# Altium PCB LPCXpresso55SXX.PcbDoc (part 3 of 4)
Units mm, origin at the board's own origin, x right, y up, seen from the top; angles counter-clockwise.
Board outline 97.07 x 97.84 mm, 4 copper layers (Top Layer, GND Plane, Power Plane, Bottom Layer), stack 1.58 mm thick; 336 components, 250 nets, 1211 pads, 766 vias.
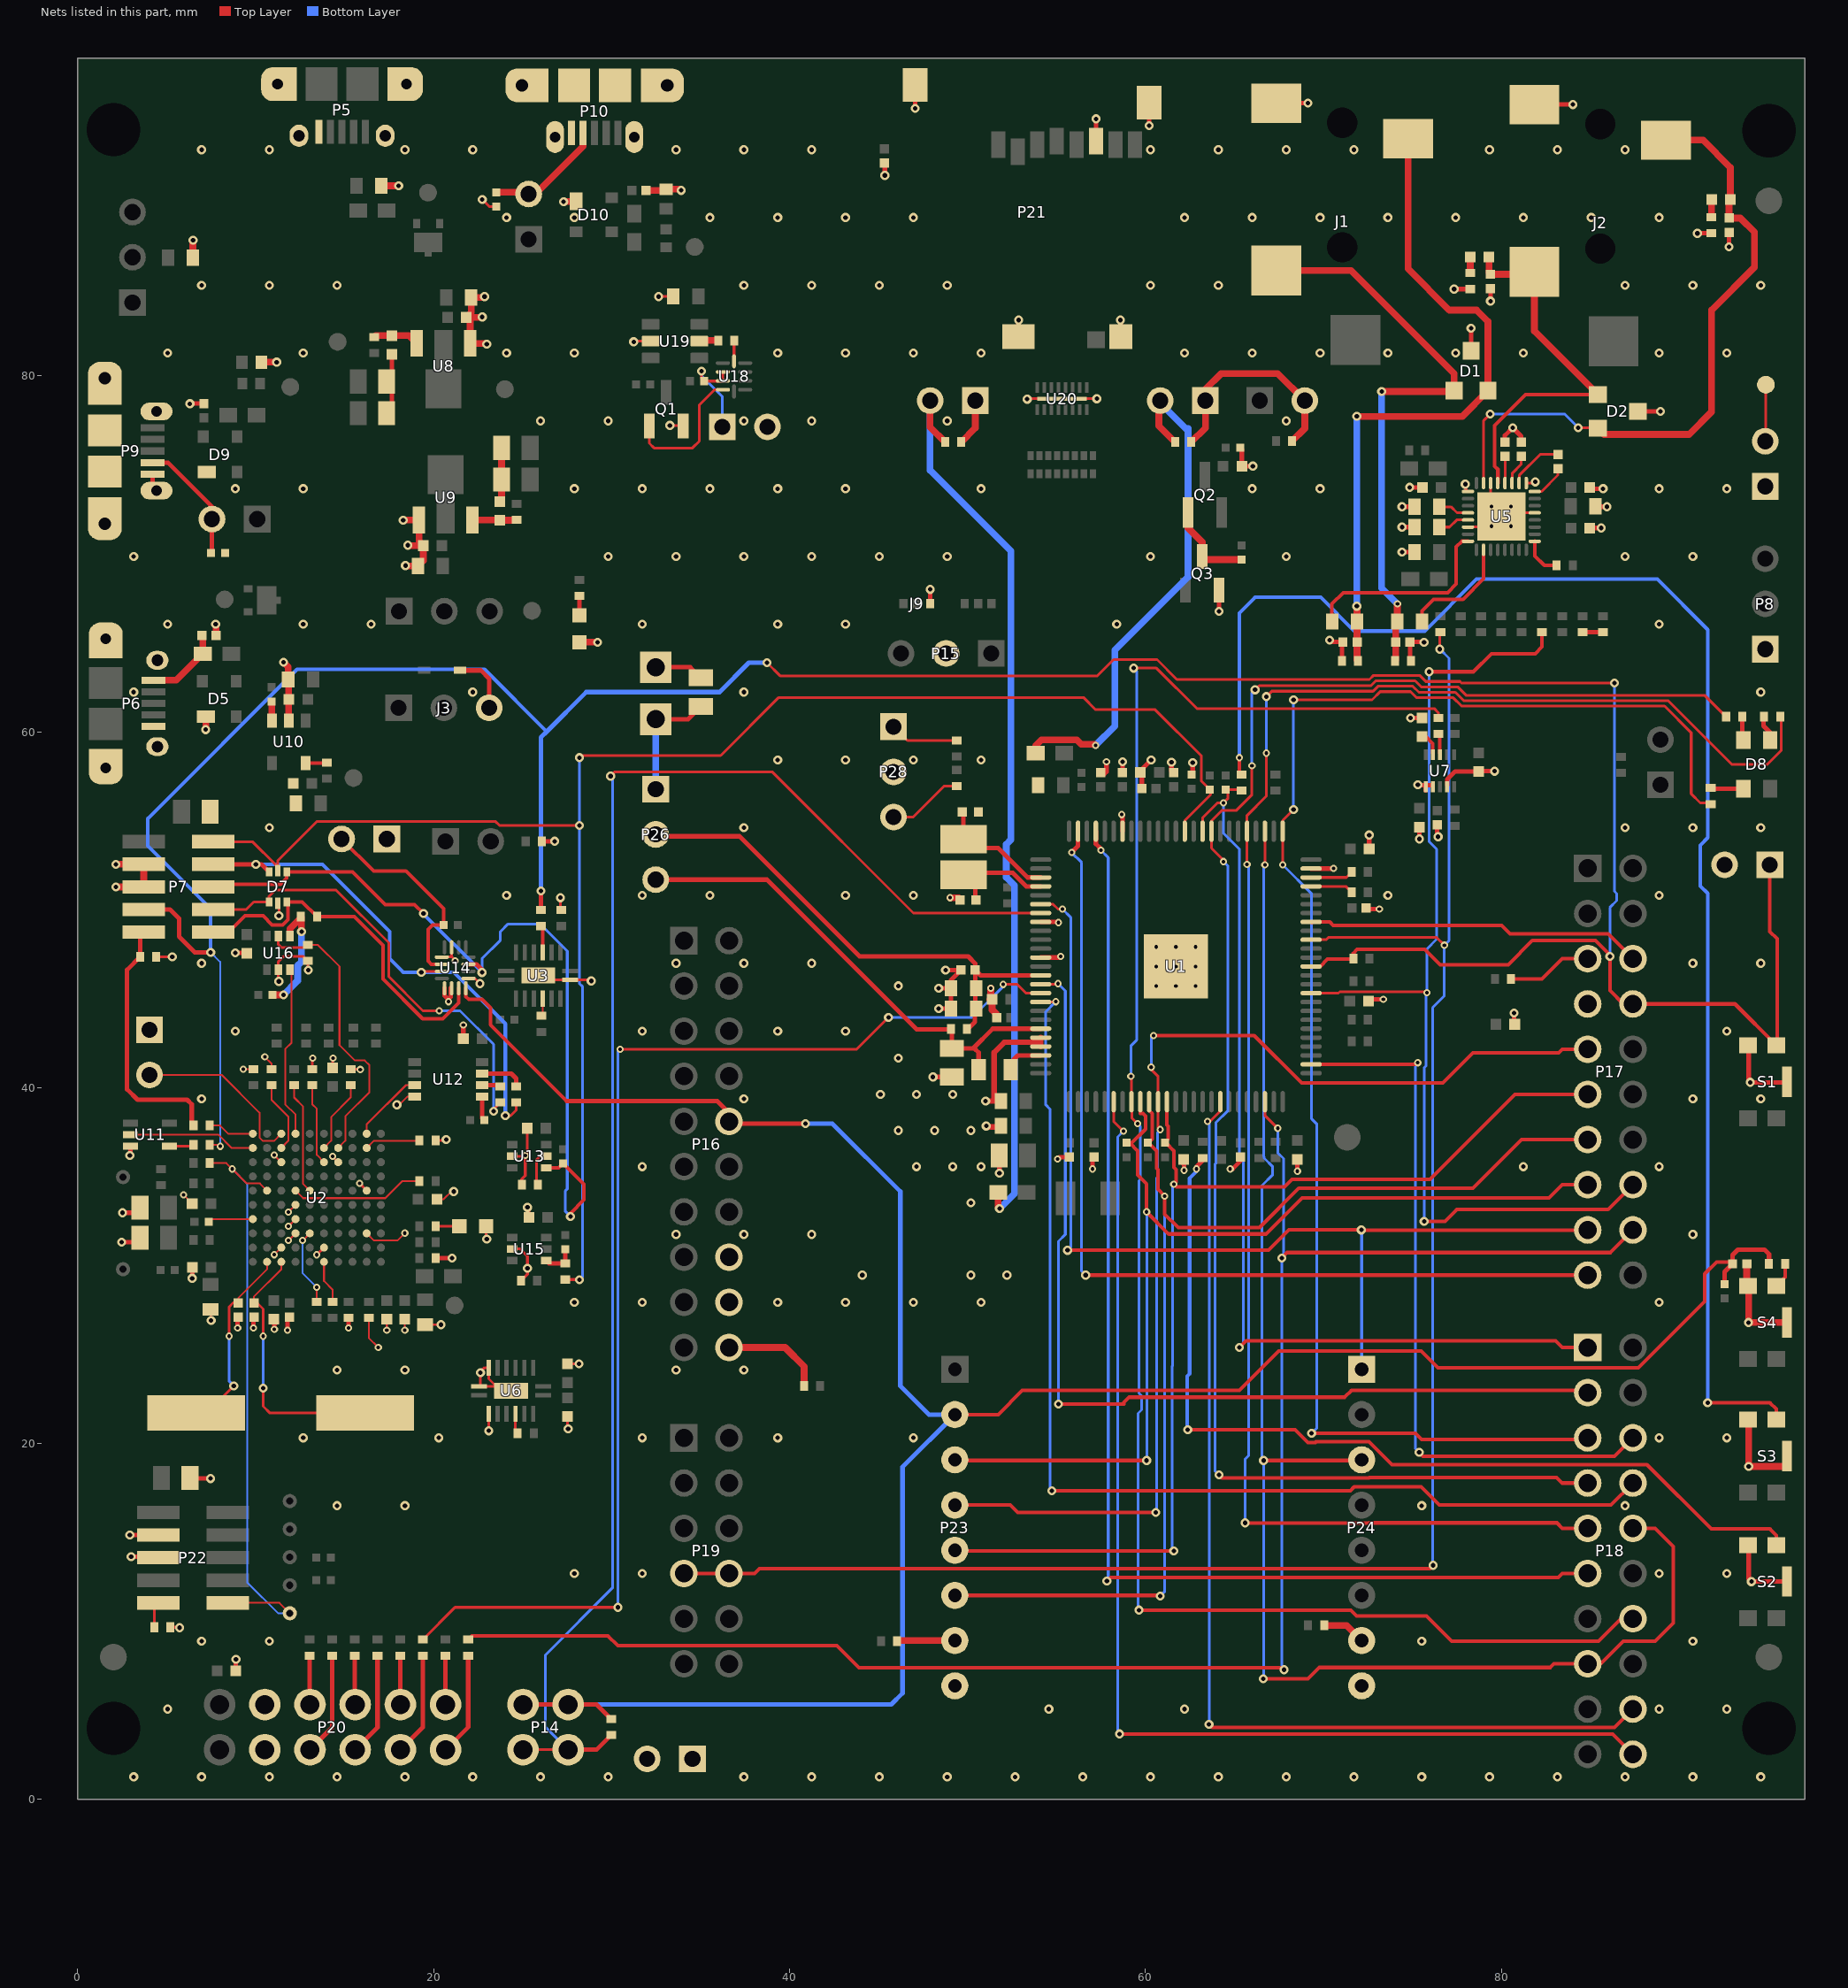
[diagram p5: the nets of this part, all layers, seen from the top]

## Via types
v1: diameter 0.508, hole 0.254, Top Layer to Bottom Layer, tented both sides, 566 vias
v2: diameter 0.406, hole 0.203, Top Layer to Bottom Layer, tented both sides, 185 vias
v3: diameter 0.406, hole 0.203, Top Layer to Bottom Layer, 13 vias
v4: diameter 0.508, hole 0.254, Top Layer to Bottom Layer, 2 vias

## Nets (pads, with @x,y where several pads share a name; then routed paths per layer and width w, separated by ;. In a path a pad name is that pad's centre, name@x,y a point inside that pad or via, vN(x,y) a via of type N, cw(c..) or ccw(c..) an arc to the next point about the centre after c; other vN are vias at no path point) (continued)
GND: C1.2 C2.2 C3.2 C4.2 C5.1 C6.2 C7.1 C10.1 C12.1 C13.2 C14.2 C15.2 C16.1 C17.1 C18.1 C19.1 C22.1 C24.1 C25.1 C26.1 C27.1 C28.1 C29.1 C30.2 C31.1 C32.1 C33.2 C34.1 C35.2 C36.2 C37.2 C38.2 C39.2 C40.2 C41.1 C42.1 C43.2 C44.2 C45.1 C46.1 C47.1 C48.2 C49.2 C50.1 C51.1 C52.1 C53.1 C54.2 C55.2 C56.1 C57.2 C58.1 C59.2 C60.2 C61.2 C62.1 C67.1 C68.1 C69.1 C70.1 C71.2 C72.1 C73.2 C74.1 C75.2 C76.1 C77.2 C78.1 C79.1 C80.2 C81.1 C82.1 C83.2 C84.1 C85.2 C86.1 C87.2 C88.2 C89.2 C90.1 C91.2 C92.2 C93.1 C94.1 C95.1 C96.1 C97.1 C98.1 C99.1 C100.2 D1.3 D2.3 D5.1 D7.2 D9.1 D10.1 DS1.2 DS2.2 J1.1 J2.1 J4.1 J5.1 J7.2 J9.1 J10.2 P2.1 P2.2 P3.1 P3.2 P5.5 P5.6 P6.5 P6.6 P7.3 P7.5 P8.1 P9.5 P9.6 P10.5 P10.6 P15.2 P16.16 P16.18 P17.7 P20.9 P20.10 P21.6 P21.9 P22.3 P22.5 P23.8 P24.8 P27.1 P28.2 Q1.2 Q3.2 R2.2 R6.1 R10.1 R11.1 R17.1 R23.1 R29.2 R32.1 R36.1 R43.1 R44.1 R45.1 R46.1 R50.2 R52.2 R55.1 R58.1 R61.1 R69.1 R73.1 R84.1 R87.1 R90.2 R112.1 R127.1 R128.1 S1.2 S1.5 S2.2 S2.5 S3.2 S3.5 S4.2 S4.5 TP2.1 U1.19 U1.33 U1.37 U1.46 U1.47 U1.99 U1.101 U2.C2 U2.C8 U2.D3 U2.D4 U2.D5 U2.F2 U2.G8 U2.J3 U2.J6 U3.8 U3.17 U5.5 U5.9 U5.14 U5.17 U5.22 U5.33 U6.7 U6.8 U6.10 U6.17 U7.6 U7.7 U7.9 U8.1 U9.1 U10.2 U11.3 U12.4 U13.2 U14.1 U14.5 U14.6 U14.9 U14.15 U15.2 U16.2 U18.5 U19.2 U20.17 | length 207
  Top Layer w0.102: v2(5.937,33.984) 6.445,33.476 C37.2@6.428,33.476 ; C29.1@7.461,27.696 7.366,27.601 7.493,27.474 v1(7.493,26.924) ; v2(9.294,41.038) 9.476,41.038 R52.2@9.874,41.038 ; v2(10.509,41.731) 10.89,41.35 R46.1@10.89,41.038 ; v2(11.036,30.613) U2.C2@11.436,31.013 ; v2(11.036,36.213) U2.C8@11.436,35.813 ; v2(11.836,31.413) U2.D3@12.236,31.813 ; v2(11.836,32.213) U2.D4@12.236,32.613 ; v2(11.836,33.013) U2.D5@12.236,33.413 ; v2(14.319,36.143) 14.319,36.13 U2.G8@14.636,35.813 14.712,35.889 U2.G8@14.7,35.889 ; U2.J3@16.236,31.813 16.636,31.413 17.971,31.413 v2(18.383,31.825) ; R32.1@16.351,27.057 16.351,25.94 v2(16.891,25.4) ; v2(17.367,26.377) C35.2@17.367,26.982 ; v1(17.934,39.039) 18.06,39.039 18.515,39.493 U12.4@18.931,39.493 ; v2(18.383,26.377) C36.2@18.383,26.982 ; C34.1@19.526,26.68 v1(20.415,26.68) ; C38.2@20.178,33.73 20.556,33.73 20.987,34.162 v1(21.125,34.162)
  Top Layer w0.152: R55.1@4.399,47.346 v1(5.309,47.346) ; R127.1@5.193,9.677 5.69,9.677 v1(5.715,9.652) ; D7.2@11.246,50.358 11.303,50.3 v1(11.303,49.657) ; v1(11.303,45.974) 11.271,46.006 U16.2@11.271,46.623 11.271,47.085 11.557,47.371 12.674,47.371 R69.1@12.922,47.123 12.922,46.641 v1(12.954,46.609) ; R45.1@13.176,41.038 13.176,41.624 v2(13.208,41.656) ; v2(13.43,30.607) U2.F2@13.836,31.013 ; C39.2@14.319,41.113 14.319,41.624 v2(14.351,41.656) ; R44.1@15.335,41.038 15.858,41.038 v2(15.875,41.021) ; v2(15.843,34.619) 15.843,34.606 U2.J6@16.236,34.213 ; R43.1@20.103,37.032 20.649,37.032 v1(20.701,37.084) ; U14.1@20.46,47.355 21.016,47.355 ; U14.15@21.01,47.905 21.01,47.36 21.016,47.355 ; v2(21.209,47.13) 21.209,47.162 21.016,47.355 ; U14.9@21.96,46.155 22.298,46.155 v1(22.606,45.847) ; v1(22.733,89.916) 23.133,89.516 R128.1@23.52,89.516 ; DS2.2@22.943,32.206 22.943,31.54 v1(22.987,31.496) ; v1(23.097,20.718) U6.10@23.097,21.665 ; U15.2@24.418,30.936 24.86,30.936 25.273,30.523 v1(25.273,29.845) 25.273,29.513 R61.1@24.918,29.158 ; U13.2@24.418,36.143 v2@25.146,36.143 ; R58.1@24.95,34.544 24.95,34.856 25.146,35.052 v2@25.146,36.143 ; C59.2@25.256,37.719 25.256,36.305 v2(25.146,36.195) v2@25.146,36.143 ; v1(25.273,33.274) 25.351,33.196 C60.2@25.351,32.714 ; U3.17@25.876,46.303 26.126,46.053 U3.8@27.676,46.053 28.801,46.053 v1(28.854,45.999) ; R6.1@27.095,50.03 27.051,50.074 27.127,50.15 v1(27.127,50.673) ; C2.2@27.527,21.521 27.527,20.86 v1(27.559,20.828) ; C1.2@27.527,24.476 27.527,24.518 27.559,24.486 v1(28.169,24.486) ; v1(31.242,81.915) 31.278,81.951 U19.2@32.187,81.951 ; v1(32.639,84.455) 32.649,84.465 C68.1@33.472,84.465 ; v1(33.274,77.216) 33.985,77.216 Q1.2@34.021,77.18 ; U18.5@36.881,80.821 36.881,81.973 R90.2@36.899,81.991 ; v1(53.358,78.69) 53.383,78.715 U20.17@55.314,78.715 v1(57.27,78.715) ; v1(77.978,73.914) 77.978,73.666 U5.17@78.138,73.506 ; U5.22@78.138,71.506 79.5,71.506 U5.33@79.507,71.512 ; U5.14@79.413,73.981 79.413,72.706 80.013,72.106 80.213,72.306 U5.5@81.888,72.306 ; U5.9@81.413,73.981 81.855,73.981 v1(81.915,74.041) ; P2.2@94.837,76.327 94.869,76.359 TP2.1@94.869,79.502 ; U6.8@22.547,23.215 22.631,23.3 v1(22.631,23.978) 22.631,24.028 22.868,24.265 U6.7@23.097,24.265 23.097,23.639 23.521,23.215 U6.8@22.547,23.215 ; U6.17@23.648,23.215 23.898,22.965 U6.17@24.347,22.965 24.097,23.215 U6.17@23.648,23.215
  Top Layer w0.254: v1(2.464,31.318) 3.398,31.318 C27.1@3.442,31.361 ; v1(2.508,32.968) C28.1@3.613,32.968 ; v1(2.921,14.859) P22.3@4.527,14.859 ; v1(2.921,36.195) 2.957,36.231 U11.3@2.957,36.712 ; v1(2.997,13.64) P22.5@4.495,13.64 ; C27.1@3.27,31.19 C27.1@3.613,31.19 ; P9.5@4.199,74.478 4.199,73.778 P9.6@4.424,73.553 ; v1(6.299,78.435) 6.312,78.448 C62.1@7.087,78.448 ; C96.1@6.305,18.034 v1(7.461,18.034) ; v1(6.426,29.286) 6.435,29.295 C40.2@6.435,29.896 ; v1(8.858,47.573) 9.476,47.573 C61.2@9.493,47.556 ; C88.2@8.875,7.239 8.875,7.859 v1(8.89,7.874) ; v2(8.985,26.491) C32.1@8.985,27.107 ; v2(9.874,26.491) C33.2@9.874,27.107 ; C30.2@11.017,26.982 11.176,26.823 11.049,26.696 v2(11.049,26.416) ; v2(11.779,26.364) 11.779,26.98 C31.1@11.906,27.107 ; v2(15.208,26.491) R29.2@15.208,27.057 ; C46.1@17.361,77.902 17.653,78.194 C44.2@17.653,81.212 ; R50.2@20.103,30.428 21.03,30.428 v1(21.031,30.429) ; U14.5@20.61,45.605 20.61,45.176 v2@20.828,44.958 ; v2(20.828,44.831) v2@20.828,44.958 ; U14.6@20.967,45.605 20.967,45.097 v2@20.828,44.958 ; C57.2@21.668,42.747 v2(21.668,43.526) ; R2.2@26.072,53.848 v1(26.797,53.848) ; P27.1@32.48,63.627 34.423,63.627 C92.2@35.02,63.03 ; C86.1@45.332,91.955 45.357,91.93 v1(45.357,91.263) ; v1(47.065,95.027) 47.065,95.157 P21.9@47.065,96.35 ; J9.1@47.9,67.2 v1(47.9,68) ; v1(48.063,40.602) C100.2@49.117,40.602 ; v1(48.387,44.45) C98.1@49.084,44.45 C97.1@49.084,45.593 ; v1(48.387,45.593) C97.1@49.084,45.593 ; v1(48.768,46.609) C99.1@49.638,46.609 49.084,46.055 C97.1@49.084,45.593 ; v1(51.054,37.846) v1@51.105,37.795 ; v1(51.797,35.192) C93.1@51.797,36.195 ; P21.9@52.865,82.2 52.865,83.118 v1(52.882,83.135) ; U1.37@54.115,47.312 55.186,47.312 v2(55.245,47.371) ; U1.33@54.115,49.312 55.082,49.312 v2(55.118,49.276) ; v2(55.067,35.992) 55.175,36.1 C78.1@55.721,36.1 ; v2(57.023,35.433) 57.023,36.195 C79.1@57.118,36.1 ; P21.6@57.225,93.191 57.225,94.184 v1(57.225,94.444) ; C82.1@57.687,57.626 57.81,57.75 v2(57.81,58.318) ; v1(58.597,83.135) 58.615,83.117 P21.9@58.615,82.2 ; v2(58.674,55.347) 58.715,55.305 U1.19@58.715,54.412 ; v1(58.725,58.318) 58.725,57.774 58.7,57.749 C84.1@58.823,57.626 ; C7.1@59.8,56.8 59.8,57.575 59.675,57.7 59.675,57.77 v1(60.325,58.42) ; v1(60.215,94.057) P21.9@60.215,95.35 ; C76.1@61.468,57.785 v1(61.468,58.293) ; C73.2@62.071,35.975 61.981,35.885 61.981,35.875 62.179,35.677 v2(62.179,35.357) ; R112.1@62.528,57.55 62.662,57.684 v1(62.662,58.268) ; v1(64.145,66.77) Q3.2@64.145,67.954 ; v2(64.77,35.433) 64.897,35.433 65.348,35.884 C90.1@65.348,36.1 ; R36.1@65.322,75.971 65.422,75.872 C87.2@65.422,74.93 v1(66.04,74.93) ; J1.1@67.363,95.324 v1(69.13,95.324) ; v2(68.548,35.306) C75.2@68.548,35.975 ; U1.99@69.315,52.312 70.568,52.312 v2(70.58,52.324) ; v1(70.358,65.151) 70.46,65.049 C17.1@71.101,65.049 71.051,64.999 R11.1@71.051,63.983 ; C72.1@72.409,50.038 v2(73.152,50.038) ; C91.2@72.578,44.958 v2(73.374,44.958) ; C89.2@72.578,53.416 v1(72.578,54.195) ; v1(74.422,70.104) C12.1@75.119,70.104 ; v1(74.422,71.501) 75.112,71.501 C26.1@75.163,71.45 ; v1(74.422,72.644) 75.138,72.644 C25.1@75.163,72.669 ; v1(74.847,73.736) C14.2@75.567,73.736 ; v1(74.898,60.774) C6.2@75.558,60.774 ; R10.1@74.93,63.975 R10.1@74.923,63.983 74.873,64.033 C10.1@74.873,65.049 75.635,65.049 v1(75.66,65.024) ; v1(75.311,57.023) 75.336,56.998 U7.6@75.749,56.998 ; v1(75.406,53.975) C4.2@75.406,54.644 ; U7.6@75.749,56.712 U7.6@75.749,56.998 ; U7.7@76.149,56.998 U7.6@75.749,56.998 ; C5.1@76.397,54.769 76.397,54.159 v1(76.454,54.102) ; U7.9@76.957,57.006 76.957,57.32 77.406,57.768 C3.2@78.74,57.768 78.757,57.785 v1(79.629,57.785) ; v1(77.351,84.876) R17.1@78.251,84.876 ; D1.3@78.302,81.414 v1(78.302,82.676) ; v1(79.394,84.201) C22.1@79.394,84.909 ; U5.33@79.507,71.512 U5.33@80.054,72.06 ; C19.1@80.207,76.27 80.207,76.651 v1(80.645,77.089) 81.121,76.613 C18.1@81.121,76.27 ; v1(80.721,44.196) 80.721,43.627 80.772,43.576 C85.2@80.757,43.561 ; J2.1@81.866,95.247 83.509,95.247 v1(84.028,95.247) ; C13.2@84.973,71.45 v1(85.617,71.45) ; C15.2@84.973,73.736 85.05,73.66 v1(85.725,73.66) ; C16.1@85.301,72.909 C16.1@85.301,72.669 85.301,72.644 v1(85.947,72.644) ; D2.3@87.682,78.003 v1(88.944,78.003) ; v1(91.027,88.011) 91.034,88.018 R23.1@91.814,88.018 ; v1(92.805,87.249) C24.1@92.805,88.068 ; S2.2@93.91,14.3 93.91,12.395 v1(94.062,12.243) S2.5@96.062,12.243 96.067,12.243 S2.5@96.11,12.2 ; S1.2@93.91,42.381 93.91,40.39 v1(94,40.3) 96.031,40.3 S1.5@96.062,40.331
  Top Layer w0.305: v1(51.022,39.243) 51.5,39.243 51.5,41.975 52.07,42.545 54.115,42.545 ; v1@51.105,37.795 C95.1@51.821,37.795 ; C94.1@51.784,39.243 C94.1@51.784,39.28 ; U1.47@54.115,42.312 54.115,42.545 ; U1.46@54.115,42.812 54.115,42.545
  Top Layer w0.381: v1(2.134,51.283) P7.5@3.708,51.283 P7.3@3.708,52.553 v1(2.134,52.553) ; C69.1@6.466,86.639 v1@6.466,87.619 ; v1(7.188,60.122) 7.2,60.134 D5.1@7.2,60.849 ; v1(7.747,66.04) 7.766,66.021 C52.1@7.766,65.405 ; R84.1@10.329,80.772 v1(11.176,80.772) ; v1(11.557,63.906) 11.822,63.641 C53.1@11.822,62.941 11.855,62.908 U10.2@11.855,60.636 ; C41.1@17.065,90.678 v1(18.034,90.678) ; v1(18.288,71.882) 18.304,71.898 U9.1@19.174,71.898 19.174,70.699 C48.2@19.414,70.46 ; v1(18.415,69.342) 18.44,69.317 C47.1@19.112,69.317 19.414,69.619 C48.2@19.414,70.46 ; v1(18.542,70.485) 18.567,70.46 C48.2@19.414,70.46 ; v1(22.733,83.312) 22.708,83.287 C43.2@21.836,83.287 ; v1(22.86,84.455) 22.809,84.404 C42.1@22.112,84.404 22.112,83.563 C43.2@21.836,83.287 ; v1(22.987,81.788) 22.95,81.825 U8.1@22.049,81.825 22.049,83.074 C43.2@21.836,83.287 ; C49.2@23.724,72.94 23.819,73.036 C50.1@23.819,74.177 C51.1@23.819,75.955 ; v1(27.305,89.789) 27.318,89.802 D10.1@28.007,89.802 ; DS1.2@28.194,65.036 29.198,65.036 v1(29.21,65.024) ; C67.1@31.94,90.426 32.999,90.426 R87.1@33.064,90.491 33.842,90.491 v1(33.909,90.424) ; v2(49.022,50.673) 49.511,50.673 C77.2@49.638,50.546 ; v2(51.308,45.593) 51.308,45.007 51.259,44.958 C71.2@51.323,44.895 ; C71.2@51.386,44.958 51.386,44.372 51.638,44.12 C74.1@51.638,43.942 ; C81.1@93.8,30.1 93.8,28.916 S4.2@93.862,28.855 93.9,28.816 v1(93.9,26.8) 96.057,26.8 S4.5@96.062,26.805 ; 93.91,20.888 v1(93.91,18.71) 95.934,18.71 S3.5@96.062,18.838
  other v1: 3.143,1.27 6.953,1.27 10.763,1.27 14.573,1.27 18.383,1.27 22.193,1.27 26.003,1.27 29.813,1.27 37.433,1.27 41.243,1.27 45.053,1.27 48.863,1.27 52.673,1.27 56.483,1.27 60.293,1.27 64.103,1.27 67.913,1.27 71.723,1.27 75.533,1.27 79.343,1.27 83.153,1.27 86.963,1.27 90.773,1.27 94.583,1.27 5.048,5.08 54.578,5.08 62.198,5.08 88.868,5.08 92.678,5.08 6.953,8.89 10.763,8.89 75.533,8.89 90.773,8.89 27.908,12.7 31.718,12.7 88.868,12.7 92.678,12.7 14.573,16.51 18.383,16.51 75.533,16.51 86.963,16.51 12.668,20.32 20.288,20.32 31.718,20.32 39.338,20.32 46.958,20.32 88.868,20.32 92.678,20.32 14.573,24.13 18.383,24.13 33.623,24.13 37.433,24.13 27.908,27.94 31.718,27.94 39.338,27.94 43.148,27.94 46.958,27.94 50.768,27.94 88.868,27.94 44.091,29.464 50.187,29.464 52.219,29.464 33.623,31.75 37.433,31.75 41.243,31.75 90.773,31.75 50.187,33.528 31.718,35.56 47.139,35.56 49.171,35.56 50.768,35.56 81.248,35.56 88.868,35.56 46.123,37.592 48.155,37.592 50.187,37.592 6.953,39.37 37.433,39.37 90.773,39.37 94.583,39.37 45.107,39.624 47.139,39.624 49.171,39.624 46.123,41.656 8.858,43.18 31.718,43.18 39.338,43.18 43.148,43.18 92.678,43.18 46.123,45.72 6.953,46.99 33.623,46.99 37.433,46.99 41.243,46.99 90.773,46.99 94.583,46.99 24.098,50.8 31.718,50.8 35.528,50.8 43.148,50.8 46.958,50.8 73.628,50.8 88.868,50.8 10.763,54.61 37.433,54.61 86.963,54.61 90.773,54.61 94.583,54.61 39.338,58.42 43.148,58.42 46.958,58.42 50.768,58.42 3.143,62.23 22.193,62.23 37.433,62.23 94.583,62.23 5.048,66.04 12.668,66.04 16.478,66.04 31.718,66.04 39.338,66.04 43.148,66.04 58.388,66.04 88.868,66.04 3.143,69.85 29.813,69.85 33.623,69.85 37.433,69.85 41.243,69.85 45.053,69.85 48.863,69.85 60.293,69.85 67.913,69.85 86.963,69.85 90.773,69.85 8.858,73.66 12.668,73.66 27.908,73.66 31.718,73.66 35.528,73.66 39.338,73.66 43.148,73.66 50.768,73.66 66.008,73.66 69.818,73.66 88.868,73.66 92.678,73.66 26.003,77.47 29.813,77.47 37.433,77.47 41.243,77.47 48.863,77.47 67.913,77.47 5.048,81.28 12.668,81.28 24.098,81.28 27.908,81.28 39.338,81.28 43.148,81.28 46.958,81.28 50.768,81.28 62.198,81.28 66.008,81.28 69.818,81.28 73.628,81.28 77.438,81.28 81.248,81.28 88.868,81.28 92.678,81.28 6.953,85.09 10.763,85.09 14.573,85.09 37.433,85.09 41.243,85.09 45.053,85.09 48.863,85.09 60.293,85.09 64.103,85.09 86.963,85.09 90.773,85.09 94.583,85.09 6.477,87.63 24.098,88.9 27.908,88.9 35.528,88.9 39.338,88.9 43.148,88.9 46.958,88.9 62.198,88.9 66.008,88.9 69.818,88.9 73.628,88.9 77.438,88.9 81.248,88.9 85.058,88.9 88.868,88.9 6.953,92.71 10.763,92.71 18.383,92.71 22.193,92.71 33.623,92.71 37.433,92.71 41.243,92.71 60.293,92.71 64.103,92.71 67.913,92.71 71.723,92.71 79.343,92.71 83.153,92.71 86.963,92.71
  other v3: 60.615,45.712 61.715,45.712 62.815,45.712 60.615,46.812 61.715,46.812 62.815,46.812 60.615,47.912 61.715,47.912 62.815,47.912 79.455,71.551 80.555,71.551 79.455,72.651 80.555,72.651
HP_OUTL: C21.1 C22.2 D2.1 J2.2 U5.13 | length 21.7
  Top Layer w0.203: U5.13@79.813,73.981 79.813,74.746 79.629,74.93 79.629,77.216 81.366,78.953 D2.1@85.432,78.953
  Top Layer w0.381: C21.1@79.309,86.681 79.309,85.794 C22.2@79.394,85.709 81.728,85.709 J2.2@81.866,85.847 81.866,82.519 D2.1@85.432,78.953
HP_OUTR: C23.1 C24.2 D2.2 J2.3 U5.15 | length 37.2
  Top Layer w0.152: U5.15@79.013,73.981 79.013,77.489 v1(79.375,77.851) ; v1(84.328,77.089) D2.2@85.213,77.089
  Top Layer w0.381: D2.2@85.432,77.053 85.777,76.708 90.551,76.708 91.821,77.978 91.821,83.693 94.234,86.106 94.234,88.074 93.44,88.868 C24.2@92.805,88.868 92.805,89.848 C23.1@92.873,89.916 92.873,91.717 91.342,93.247 J2.3@89.266,93.247
  Bottom Layer w0.152: v1(79.375,77.851) 83.566,77.851 v1(84.328,77.089)
ID_USB0_FS: J12.2 P10.4 R128.2 | length 6.8
  Top Layer w0.381: R128.2@23.52,90.316 25.247,90.316 J12.2@25.343,90.221 25.72,90.221 28.398,92.899 P10.4@28.398,93.65
ID_USB1_HS: J11.2 P9.4 R73.2 | length 7
  Top Layer w0.254: P9.4@4.199,75.128 5.064,75.128 7.544,72.647 J11.2@7.544,71.952 7.544,70.123 R73.2@7.474,70.053
IF_DETECT: P7.9 R42.1 R55.2 | length 14.4
  Top Layer w0.254: P7.9@3.708,48.743 3.499,48.534 R55.2@3.499,47.346 2.769,46.616 2.769,39.903 3.353,39.319 6.147,39.319 6.401,39.065 6.401,37.972 R42.1@6.503,37.87
IF_JTAG_TDI: D7.1 P7.8 R54.2 | length 25.6
  Top Layer w0.152: P7.8@7.608,50.013 9.468,50.013 9.888,50.433 D7.1@10.746,50.433 10.746,50.751 11.1,51.105 14.513,51.105 17.475,48.143 17.475,46.238 19.39,44.323 v2(20.32,44.323) ; v1@23.327,38.752 v1@23.33,38.755 ; v1(23.368,38.679) 23.368,38.716 v1@23.33,38.755 ; R54.2@23.749,39.174 v1@23.33,38.755
  Bottom Layer w0.152: v2(20.32,44.323) 21.482,44.323 23.368,42.437 v1(23.368,38.679)
IF_RST: D7.3 P7.10 R67.2 U14.7 | length 20.6
  Top Layer w0.203: P7.10@7.608,48.743 8.484,48.743 9.398,49.657 10.414,49.657 10.922,49.149 11.513,49.149 11.811,49.447 11.811,50.367 D7.3@11.746,50.433 12.613,50.433 R67.2@13.441,49.605 15.546,49.605 17.145,48.006 17.145,46.101 19.38,43.866 20.509,43.866 21.409,44.765 U14.7@21.409,45.586
IF_SWDIO: D7.5 P7.2 R60.2 R123.1 U1.12 | length 96.1
  Top Layer w0.152: P7.2@7.608,53.823 9.816,53.823 11.086,52.553 11.214,52.425 11.099,52.54 D7.5@11.246,52.393 ; D7.5@11.246,52.208 D7.5@11.246,52.393 ; R60.2@27.4,29.216 28.188,29.216 v1(28.194,29.21) ; v1(28.194,54.737) 23.704,54.737 23.487,54.954 13.425,54.954 11.246,52.775 D7.5@11.246,52.393 ; v1(28.194,58.547) 28.309,58.662 36.133,58.662 39.396,61.925 56.518,61.925 57.204,61.239 60.554,61.239 63.144,58.649 63.144,57.233 R123.1@63.627,56.75 ; U1.12@62.215,54.412 62.215,55.008 63.671,56.464 R123.1@63.671,56.75
  Bottom Layer w0.152: v1(28.194,29.21) 28.372,29.388 28.372,45.668 28.194,45.846 v1(28.194,54.737) v1(28.194,58.547)
IF_TCK_SWCLK: D7.6 P7.4 R53.2 U14.3 | length 29.4
  Top Layer w0.152: v1(19.304,46.482) 19.358,46.536 U14.3@20.459,46.536 ; v1(24.028,38.43) 24.333,38.43 24.638,38.735 R53.2@24.638,39.174
  Top Layer w0.254: P7.4@7.608,52.553 v1(10.008,52.553) 10.326,52.553 D7.6@10.746,52.133
  Bottom Layer w0.203: v1(10.008,52.553) 13.741,52.553 17.526,48.768 17.526,47.244 18.288,46.482 v1(19.304,46.482) 21.133,46.482 24.028,43.586 v1(24.028,38.43)
IF_TDO_SWO: D7.4 P7.6 R57.1 U13.4 U14.11 | length 46.3
  Top Layer w0.203: P7.6@7.608,51.283 7.76,51.435 11.398,51.435 11.746,51.783 D7.4@11.746,52.133 15.431,52.133 17.272,50.292 18.923,50.292 v1(19.431,49.784) ; U13.4@26.318,35.493 27.023,35.493 R57.1@27.273,35.743 28.448,34.568 28.448,33.706 27.686,32.944 v1(27.686,32.766)
  Top Layer w0.254: U14.11@21.959,46.936 22.406,46.936 22.715,46.627 v1(22.715,46.472) 22.724,46.482 v1@22.733,46.482
  Bottom Layer w0.152: v1(22.715,46.472) 22.715,47.251 23.749,48.285 23.749,48.768 24.181,49.2 25.984,49.2 27.508,47.676 27.508,34.312 27.407,34.21 27.407,33.045 v1(27.686,32.766)
  Bottom Layer w0.203: v1@19.417,49.77 v1(22.715,46.472)
ISP_CTRL: U2.A9 U11.2 | length 7.2
  Top Layer w0.102: U11.2@2.957,37.362 7.893,37.362 8.642,36.613 U2.A9@9.836,36.613
JTAG_RESET: U2.D10 U16.3 | length 9.6
  Top Layer w0.102: U16.3@11.921,46.623 12.014,46.53 12.014,42.527 11.652,42.165 11.652,39.064 12.236,38.48 U2.D10@12.236,37.413
JTAG_RESET_TXEN: R69.2 U2.G9 U16.5 | length 16.5
  Top Layer w0.102: R69.2@12.922,48.023 13.494,48.023 14.707,46.81 14.707,42.393 15.57,41.529 16.129,41.529 16.383,41.275 16.383,39.731 15.036,38.384 15.036,37.013 U2.G9@14.636,36.613
  Top Layer w0.152: U16.5@11.271,48.523 11.271,48.038 11.43,47.879 12.778,47.879 R69.2@12.922,48.023
JTAG_TDI: U2.J10 U12.3 | length 4.1
  Top Layer w0.102: U2.J10@16.236,37.413 16.236,37.933 18.446,40.143 U12.3@18.931,40.143